# Altium PCB BMS REVAA.PcbDoc (part 2 of 2)
Units mil, origin at the board's own origin, x right, y up, seen from the top; angles counter-clockwise.
Board outline 4429.13 x 2460.63 mil, 4 copper layers (Top Layer 1, Middle Layer 1, Middle Layer 2, Bottom Layer 1), stack 23.756 mil thick; 116 components, 96 nets, 456 pads, 140 vias.
Unrouted connection lines stored in the file: 64.
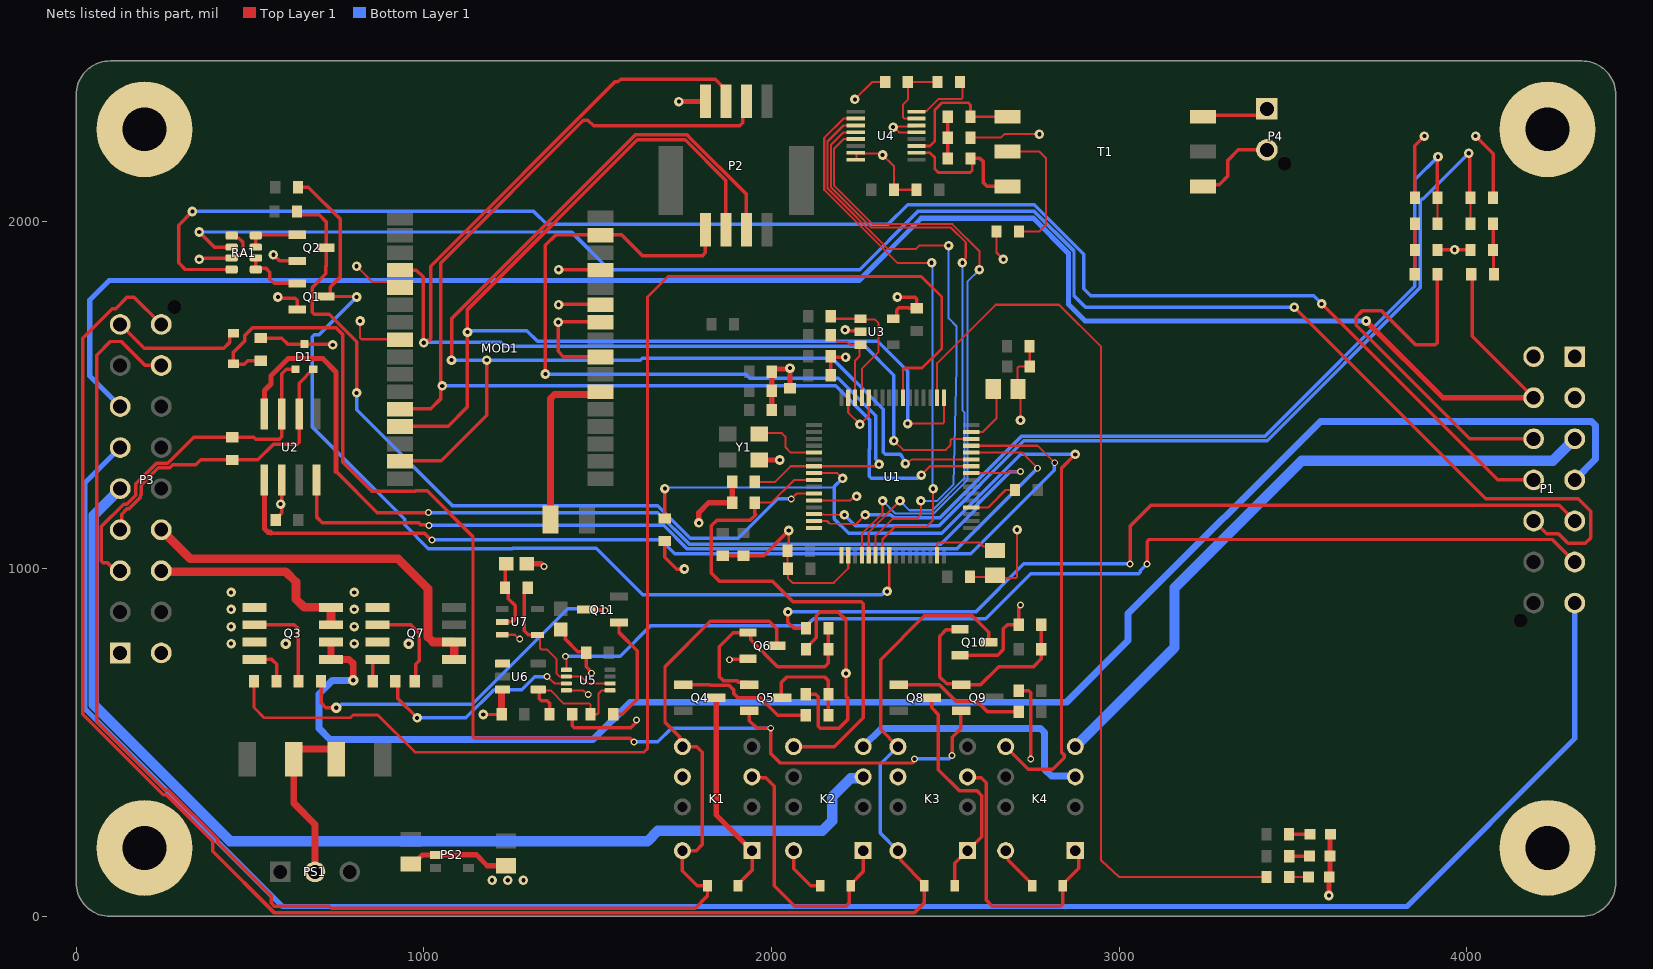
[diagram p4: the nets of this part, all layers, seen from the top]

## Via types
v1: diameter 27.56, hole 11.81, Top Layer 1 to Bottom Layer 1, 106 vias
v2: diameter 19.68, hole 11.81, Top Layer 1 to Bottom Layer 1, 29 vias
v3: diameter 30, hole 13, Top Layer 1 to Bottom Layer 1, 4 vias
v4: diameter 45, hole 13, Top Layer 1 to Bottom Layer 1, 1 vias

## Nets (pads, with @x,y where several pads share a name; then routed paths per layer and width w, separated by ;. In a path a pad name is that pad's centre, name@x,y a point inside that pad or via, vN(x,y) a via of type N, cw(c..) or ccw(c..) an arc to the next point about the centre after c; other vN are vias at no path point) (continued)
BMS_FLT_LED: D6.2 K3.5 K3.8 P3.18 Q10.3 | length 5281.3
  Top Layer 1 w10: P3.18@245.08,1702.76 166.34,1781.5 147.64,1781.5 113.82,1747.68 103.98,1747.68 19.68,1663.39 19.68,581.3 251.34,349.65 260.14,349.65 393.7,216.09 393.7,187.01 570.87,9.84 2411.42,9.84 2440.08,38.5 D6.2@2440.08,88.58 2440.08,92.52 2371.48,161.12 2371.48,181.47 K3.8@2363.98,188.98 ; K3.5@2363.98,488.19 2313.98,538.19 2313.98,738.58 2439.83,864.44 2578.12,864.44 2625.32,817.24 Q10.3@2625.32,788.58
  Bottom Layer 1 w10: K3.8@2363.98,188.98 2312.99,239.96 2312.99,437.2 K3.5@2363.98,488.19
CAN1_H: D1.1 P3.3 R9.1 U2.7 | length 1041.5
  Top Layer 1 w10: P3.3@126.97,994.09 113.48,994.09 91.02,1016.55 78.41,1016.55 72.56,1022.41 72.56,1121.32 136.63,1185.39 145.58,1185.39 171.89,1211.71 171.89,1244.13 231.26,1303.5 263.69,1303.5 338.15,1377.96 R9.1@449.31,1377.96 511.56,1377.96 517.75,1371.77 584.37,1371.77 591.71,1379.11 U2.7@591.71,1444.89 591.71,1560.88 604.31,1573.48 D1.1@631.12,1573.48
CAN1_L: D1.2 P3.4 R9.2 U2.6 | length 888.7
  Top Layer 1 w10: P3.4@126.97,1112.2 131.19,1116.43 131.19,1157.13 145.96,1171.89 151.17,1171.89 185.39,1206.12 185.39,1211.33 187.01,1212.94 187.01,1240.16 236.85,1290 269.28,1290 278.49,1299.21 344.49,1299.21 358.28,1313 R9.2@449.31,1313 522.61,1313 567.87,1358.27 635.85,1358.27 641.71,1364.13 U2.6@641.71,1444.89 641.71,1533.87 681.32,1573.48 D1.2@682.3,1573.48
CAN1_RX: U1.44 U2.4 | length 2523.7
  Top Layer 1 w6: U1.44@2575.3,1334.07 2721.05,1334.07 2765.75,1289.37 v2(2765.75,1288.98)
  Top Layer 1 w10: U2.4@691.71,1254.89 691.71,1148.84 708.66,1131.89 985.2,1131.89 990.66,1126.44 1013.19,1126.44 v2(1015.05,1124.58)
  Bottom Layer 1 w10: v2(1015.05,1124.58) 1690.38,1124.58 1758.15,1056.81 2533.18,1056.81 2765.36,1288.98 v2(2765.75,1288.98)
CAN1_STBY: U1.41 U2.8 | length 2918.7
  Top Layer 1 w6: U1.41@2575.3,1275.02 2678.8,1275.02 2683.3,1279.53 v2(2716.54,1279.53)
  Top Layer 1 w10: 748.03,1279.53 866.14,1161.42 v2(1013.78,1161.42)
  Top Layer 1 w15: U2.8@541.71,1444.89 541.71,1512.39 561.02,1531.71 561.02,1555.12 610.24,1604.33 709.72,1604.33 748.03,1566.02 748.03,1279.53
  Bottom Layer 1 w10: v2(1013.78,1161.42) 1673.23,1161.42 1764.34,1070.31 2487.63,1070.31 2586.39,1169.07 2586.39,1178.91 2687.01,1279.53 v2(2716.54,1279.53)
CAN1_TX: U1.45 U2.1 | length 2822.5
  Top Layer 1 w6: U1.45@2575.3,1353.76 2765.92,1353.76 v2(2814.91,1304.77)
  Top Layer 1 w10: 561.02,1102.36 1002.13,1102.36 1021.82,1082.68 v2(1023.62,1082.68)
  Top Layer 1 w15: U2.1@541.71,1254.89 541.71,1115.18 552.22,1104.68 558.71,1104.68 561.02,1102.36
  Bottom Layer 1 w10: v2(1023.62,1082.68) 1683.07,1082.68 1722.44,1043.31 2573.24,1043.31 2813.06,1283.12 2813.06,1302.91 v2(2814.91,1304.77)
Charger_Enable: P1.8
CS_HIGH: P1.10 R5.2 | length 1149.9
  Top Layer 1 w10: R5.2@3915.75,1846.93 3915.75,1650.39 3909.89,1644.54 3852.72,1644.54 3755.88,1741.38 3698.71,1741.38 3681.85,1724.52 3681.85,1700.68 4008.91,1373.62 P1.10@4192.52,1373.62
CS_ISOSPI: U1.20 U4.5 | length 1827.9
  Top Layer 1 w6: U4.5@2242.75,2235.56 2207.5,2235.56 2180.5,2208.56 2180.5,2101.93 2291.35,1991.08 2520.2,1991.08 2598.43,1912.85 v1(2598.43,1860.24) ; U1.20@2260.34,1038.8 2260.34,1100.34 2320,1160 v1(2320,1195)
  Bottom Layer 1 w6: v1(2320,1195) 2356.28,1158.72 2467.16,1158.72 2564.5,1256.07 2564.5,1826.31 v1(2598.43,1860.24)
CS_LOW: P1.9 P3.7 R1.2 | length 5322
  Top Layer 1 w10: R1.2@4013.11,1846.93 4015.75,1844.29 4015.75,1668.5 P1.9@4192.52,1491.73
  Top Layer 1 w15: v1(3710.63,1712.6) 3931.5,1491.73 P1.9@4192.52,1491.73
  Bottom Layer 1 w15: P3.7@126.97,1466.54 39.37,1554.13 39.37,1772.71 95.62,1828.96 2252.18,1828.96 2431.1,2007.87 2753.56,2007.87 2854.33,1907.1 2854.33,1760.76 2902.49,1712.6 v1(3710.63,1712.6)
Discharge_Shutdown: P1.7 P3.6 | length 5903.9
  Bottom Layer 1 w15: P3.6@126.97,1348.43 24.98,1246.44 24.98,597.7 593.84,28.84 3828.05,28.84 4310.63,511.42 P1.7@4310.63,901.18
FAN1_MCU: R15.1 U1.55 | length 3831.2
  Top Layer 1 w7: U1.55@2378.45,1491.55 2378.45,1572.47
  Top Layer 1 w8: R15.1@511.81,676.18 511.81,600.6 541.02,571.39 789.2,571.39 796.77,578.96 867.89,578.96 974.52,472.33 1633.86,472.33 1643.7,482.18 1643.7,1781.39 1702.76,1840.44 2431.1,1840.44 2490.16,1781.39 2490.16,1633.75 2433.57,1577.16 2383.13,1577.16 2378.45,1572.47
FAN1_RTN: P1.4 Q3.5 Q3.6 | length 4674.9
  Top Layer 1 w20: Q3.6@733.27,788.98 Q3.5@733.27,738.98 785.53,738.98 797.24,727.26 v3(797.24,679.13)
  Bottom Layer 1 w20: v3(797.24,679.13) 738.19,679.13 698.82,639.76 698.82,541.07 731.03,508.86 1487.14,508.86 1594.18,615.89 2848.73,615.89 3026.22,793.39 3026.22,870.71 3579.06,1423.54 4358.36,1423.54 4370.08,1411.83 4370.08,1314.96 P1.4@4310.63,1255.51
GND: C1.1 C2.1 C3.1 C4.1 C5.1 C6.1 C7.1 C8.1 C9.1 C10.1 C11.1 C12.1 C13.1 C14.1 C15.1 C16.1 C17.1 C18.1 C19.1 C20.1 C21.1 C22.1 C23.1 C24.1 C25.1 C26.1 C27.1 C28.1 C29.1 C30.1 C31.1 C32.1 D1.3 D4.2 D5.2 DS1.2 DS2.2 DS3.2 K1.6 K2.8 K3.6 K4.8 MOD1.5 MOD1.8 MOD1.24 MOD1.26 MOD1.27 MOD1.29 P1.1 P2.1 P3.1 PS1.2 PS2.2 Q1.2 Q2.2 Q3.1 Q3.3 Q6.2 Q7.1 Q7.3 Q10.2 R3.1 R7.1 R18.2 R23.1 R24.1 R27.1 R28.1 R31.1 R33.1 R35.1 R38.1 RA1.1 RA1.3 ST1.1 ST2.1 ST3.1 ST4.1 U1.12 U1.18 U1.60 U1.63 U2.2 U3.2 U3.5 U4.7 U4.8 U4.13 U4.14 U5.4 U6.3 U7.3 Y1.2 | length 8619.7
  Top Layer 1 w6: v1(807.09,1870.08) 807.09,1869.68 851.98,1824.79 916.35,1824.79 MOD1.5@932.28,1808.86 ; v1(816.93,1712.6) 816.93,1663.51 820.44,1660 931.14,1660 MOD1.8@932.28,1658.86 ; U7.3@1225.24,810.17 1261.8,810.17 1274.01,797.95 v2(1276.24,797.95) ; U5.4@1410.09,650.32 1458.25,650.32 1470.06,638.5 v2(1473.09,638.5) ; v1(2050,1110) 2050,1055.04 C8.1@2046.24,1051.28 2046.24,1001.28 C7.1@2047.52,1000 2047.52,972.48 2060.67,959.33 2179.33,959.33 2220.97,1000.97 U1.18@2220.97,1038.8 ; U1.12@2122.54,1196.28 2227.22,1196.28 2239.17,1208.22 v1(2245,1208.22) ; U1.63@2220.97,1491.55 2220.97,1449.03 2254.68,1415.32 v1(2254.68,1415) ; v1(2240,2350) 2290,2400 R18.2@2327.52,2400 ; U4.8@2242.75,2176.51 2244.3,2178.06 2244.3,2194.64 U4.7@2242.75,2196.19 2245.25,2193.69 2316.31,2193.69 2352.48,2157.52 C25.1@2352.48,2090 C26.1@2417.52,2090 ; v1@2255,1415 2280.02,1440.02 U1.60@2280.02,1491.55 ; v1(2350,2270) 2352.71,2270 2367.46,2255.25 U4.13@2417.25,2255.25 ; v1@2352.47,2272.47 2414.78,2272.47 U4.14@2417.25,2274.93 ; C6.1@2570.93,976.55 2638.88,976.55 C15.1@2643.45,981.12 2651.67,972.89 2703.18,972.89 2706.69,976.41 v1(2706.69,1112.2) ; C27.1@2572.48,2240 2660,2240 2670,2250 v1@2770,2250 ; C28.1@2647.52,1970 2647.52,1909.57 v1(2667.32,1889.76) ; C14.1@2715.68,1523.35 C14.1@2708.88,1516.55 2708.02,1517.41 2708.02,1578.04 2711.54,1581.55 C9.1@2742.96,1581.55 2742.96,1639.53 C10.1@2742.48,1640 ; v1(2716.54,1427.17) C14.1@2716.54,1523.35
  Top Layer 1 w10: v1(354.33,1889.76) 357.69,1893.12 446.86,1893.12 452.74,1899 465.25,1899 466.02,1899.76 468.31,1899.76 480.16,1911.61 480.16,1938.79 468.31,1950.63 461.33,1950.63 453.69,1958.27 RA1.1@447.44,1958.27 ; R23.1@531.5,1663.39 591.43,1663.39 608.51,1646.31 D1.3@656.71,1646.31 658.01,1645.01 736.88,1645.01 v1(738.19,1643.7) ; v1(567.65,1902.96) 585.24,1885.36 Q2.2@636.31,1885.36 ; C13.1@574.23,1139.89 574.23,1142.85 591.71,1160.33 U2.2@591.71,1254.89 ; v1(580.71,1781.5) 584.07,1778.14 630.45,1778.14 636.31,1772.28 Q1.2@636.31,1745.36 ; v1(1171.26,580.71) 1223.36,580.71 C32.1@1224.07,581.42 ; v1(1386.83,1708.79) 1386.83,1624.98 1401.81,1610 1507.52,1610 MOD1.24@1508.66,1608.86 ; v1(1387.8,1860.24) 1507.28,1860.24 MOD1.29@1508.66,1858.86 ; v1@1389.61,1760 1507.52,1760 MOD1.27@1508.66,1758.86 ; v1@1390.39,1710 1507.52,1710 MOD1.26@1508.66,1708.86 ; C31.1@1394.35,825.35 1407.64,812.05 1407.64,797.08 1443.28,761.45 1464.32,761.45 C29.1@1467.18,758.58 1467.18,717.9 1482.93,702.15 v2(1482.93,699.53) ; R38.1@1426.83,581.42 1426.83,548.5 1432.68,542.64 1595.79,542.64 v2@1614.17,561.02 ; R33.1@1692.91,1079.72 1692.91,1033.46 1728.14,998.24 1736.43,998.24 1742.13,1003.94 v1@1751.97,1003.94 ; C3.1@1860,1037.52 C4.1@1920,1037.52 1977.52,1037.52 v1(2050,1110) ; v2(1879.92,738.19) 1881.32,739.59 1931.24,739.59 Q6.2@1932.64,740.98 ; K2.8@2063.98,188.98 2063.98,137.28 2112.68,88.58 D4.2@2140.08,88.58 ; R24.1@2099.02,638.58 2127.17,638.58 2134.21,631.54 2134.21,546.8 2140.07,540.94 2194.49,540.94 2220.27,566.72 2220.27,627.55 2214.57,633.25 2214.57,852.64 2191.22,875.98 2140.31,875.98 2128.98,864.65 2128.98,801.02 2099.49,771.54 R27.1@2099.49,768.58 ; C12.1@2170.93,1556.55 C5.1@2170.93,1611.55 2174.26,1608.22 v1(2213.28,1608.22) ; v1(2212.26,1686.81) 2214.88,1684.18 2253.58,1684.18 U3.2@2256.2,1681.55 ; U3.5@2350.69,1718.95 2352.2,1718.95 2360,1726.75 2360,1744.14 2365.86,1750 2394.67,1750 ; v1(2362.2,1781.5) 2412.59,1781.5 2418.45,1775.64 C20.1@2418.45,1749.03 2394.67,1749.03 ; Q10.2@2542.64,750.98 2650.59,750.98 2667.32,767.72 2667.32,826.77 2679.13,838.58 R35.1@2711.5,838.58 2711.5,888.01 2716.54,893.05 v2(2716.54,895.67) ; K4.8@2673.98,188.98 2681.48,181.47 2681.48,161.12 2750.08,92.52 D5.2@2750.08,88.58 ; R31.1@2711.5,648.58 2740.21,648.58 2746.06,642.72 v2(2746.06,452.76) ; C2.1@3850.83,2066.93 3850.83,2216.97 v1(3877.95,2244.09) ; R7.1@3915.79,1916.93 R3.1@4010.83,1916.93 ; v1(4025.59,2244.09) 4075.79,2193.9 C1.1@4075.79,2066.93
  Top Layer 1 w15: C23.1@962.83,150.59 969.92,150.59 984.27,164.94 984.27,165.39 995.58,176.69 PS2.2@1033.83,176.69 1111.73,176.69 1112.2,177.17 1151.57,177.17 1182.91,145.83 C24.1@1236.69,145.83 ; C30.1@1295.92,1014.49 1337.87,1014.49 v2@1348.43,1003.94 ; v1(1733.86,2343.5) 1808.86,2343.5 P2.1@1809.84,2344.49 ; v1(1791.34,1131.89) 1791.34,1161.42 1819.92,1190 R28.1@1887.52,1190 C16.1@1887.52,1250 ; Y1.2@1965.28,1312.6 v1(2024.02,1312.6) v1@2027.56,1309.06 ; C19.1@2000.93,1456.55 C18.1@2000.93,1511.55 C17.1@2000.93,1566.55 ; C17.1@2008.19,1574.38 2051.04,1574.38 v1(2053.45,1576.78) C11.1@2053.45,1519.03 ; v1(3603.43,60.12) 3603.96,60.65 3603.96,112.7 3606.38,115.12 3606.38,234.33 DS2.2@3608.27,236.22
  Top Layer 1 w20: PS1.2@687.24,124.35 687.24,264.76 626.22,325.79 C21.1@626.22,451.77 626.22,466.69 640.83,481.3 733.66,481.3 748.27,466.69 C22.1@748.27,451.77 ; C32.1@1224.07,581.42 1224.07,650.47 1225.88,652.28 U6.3@1227.02,652.28
  Bottom Layer 1 w40: ST4.1@196.85,2263.78 ST4.1@206.02,2272.95
  other v1: 1196.69,103.83 1241.69,103.83 1286.69,103.83 2214.57,698.82 445.87,784.45 800.2,784.45 445.87,833.66 800.2,833.66 445.87,882.87 800.2,882.87 445.87,932.09 800.2,932.09 1749.9,999.26 588.2,1185.65 1387.97,1759.15 3965.05,1917.43 2320,2190 2770.64,2249.69
  other v2: 1611.99,564.41 1345.52,1006.79
  other v3: 603.35,784.45 957.2,784.45
GRN_CTRL: Q11.3 R25.1 | length 1058.9
  Top Layer 1 w10: R25.1@704.72,676.18 704.72,614.17 718.5,600.39 v3(748.03,600.39) ; Q11.3@1467.18,882.44 1468.3,881.32 1520.26,881.32 v2(1521.38,880.19)
  Bottom Layer 1 w10: v3(748.03,600.39) 753.44,600.39 763.29,610.24 1139.86,610.24 1414.03,884.41 1491.54,884.41 1495.75,880.19 v2(1521.38,880.19)
I2C1_SCL: R12.1 U1.61 U3.1 | length 380.7
  Top Layer 1 w6: R12.1@2170.93,1726.55 2178.53,1718.95 U3.1@2256.2,1718.95 2258.6,1716.55 2298.45,1716.55 2308.45,1706.55 2308.45,1623.74 2260.34,1575.63 U1.61@2260.34,1491.55
I2C1_SDA: R13.1 U1.62 U3.3 | length 257.4
  Top Layer 1 w6: R13.1@2170.93,1671.55 2170.93,1668.6 2182.69,1656.84 2185.64,1656.84 2190.93,1651.55 2218.45,1651.55 2223.47,1646.53 2225.85,1644.15 U3.3@2256.2,1644.15 2253.45,1641.4 2253.45,1611.55 2240.65,1598.76 U1.62@2240.65,1491.55
IM: R21.2 T1.3 U4.10 | length 395.8
  Top Layer 1 w8: U4.10@2417.25,2196.19 2456,2196.19 2470,2182.19 2470,2150 2480,2140 2571.74,2140 2577.6,2145.86 2577.6,2162.28
  Top Layer 1 w10: R21.2@2572.48,2180 2600,2180 2610,2170 2610,2110 2620,2100 T1.3@2678.7,2100
IMD&TSR: Q5.3 R22.1 R24.2 | length 292
  Top Layer 1 w10: Q5.3@2031.22,628.58 2028.12,631.68 2028.12,672.72 2043.98,688.58 2153.98,688.58 2163.98,678.58 R24.2@2163.98,638.58 R22.1@2163.98,578.58
IMD_FLT: P1.5 R26.1 | length 2561.2
  Top Layer 1 w10: v1(2047.24,875.98) 2047.24,846.46 2065.12,828.58 R26.1@2099.21,828.58 ; v2(3031.5,1013.78) 3031.5,1122.05 3091.77,1182.32 4265.71,1182.32 P1.5@4310.63,1137.4
  Bottom Layer 1 w10: v1(2047.24,875.98) 2588.58,875.98 2726.38,1013.78 v2(3031.5,1013.78)
IMD_FLT_L: U6.1
IMD_FLT_LED: D3.2 K1.5 K1.8 P3.17 Q6.3 | length 4550.4
  Top Layer 1 w10: P3.17@245.08,1584.65 199.46,1584.65 130.56,1653.54 98.43,1653.54 59.06,1614.17 59.06,561.02 256.93,363.15 265.73,363.15 407.2,221.68 407.2,212.88 561.02,59.06 561.02,38.78 570.57,29.23 728.05,29.23 733.94,23.34 1780.45,23.34 1816.18,59.07 D3.2@1816.18,88.58 1786.96,88.58 1743.98,131.57 K1.8@1743.98,188.98 1783.46,188.98 1801.18,206.69 1801.18,472.44 1785.43,488.19 K1.5@1743.98,488.19 1736.47,495.69 1736.47,516.09 1693.98,558.58 1693.98,718.58 1823.98,848.58 1993.98,848.58 2015.32,827.24 Q6.3@2015.32,778.58
IMD_OR_BMS_FLT: R36.1 R38.2 U5.5 U6.4 | length 404.1
  Top Layer 1 w6: U6.4@1329.39,652.28 1331.35,650.32 1364.82,650.32 1403,612.13 1476.46,612.13 1479.98,608.62 R36.1@1479.98,581.42 1499.1,581.42 1502.61,584.93 1502.61,640.47 1512.46,650.32 U5.5@1536.08,650.32
  Top Layer 1 w10: U6.4@1331.35,650.32 1332.95,648.72 1332.95,625.66 1338.81,619.8 1354.98,619.8 1361.87,612.91 R38.2@1361.87,581.42
IND_GRN: P3.12 Q3.7 Q3.8 | length 612.3
  Top Layer 1 w25: P3.12@245.08,994.09 245.08,991.14 603.35,991.14 632.87,961.61 632.87,912.4 656.3,888.98 Q3.8@733.27,888.98 Q3.7@733.27,838.98
INTR: U1.16
IP: R20.2 T1.1 U4.11 | length 402.2
  Top Layer 1 w8: U4.11@2417.25,2215.88 2455.88,2215.88 2470,2230 2470,2320 2490,2340 2566.62,2340 2572.48,2334.14 R20.2@2572.48,2300 T1.1@2678.7,2300
isoSPI_IM: P4.2 T1.4 | length 258.9
  Top Layer 1 w10: T1.4@3234.06,2104.72 3287.87,2104.72 3313.15,2130 3313.15,2175 3342.87,2204.72 P4.2@3425.2,2204.72
isoSPI_IP: P4.1 T1.6 | length 198.6
  Top Layer 1 w10: T1.6@3234.06,2304.72 3407.09,2304.72 P4.1@3425.2,2322.83
LED_HB: R14.1 U1.50 | length 2662.5
  Top Layer 1 w6: U1.50@2476.87,1491.55 2476.87,1591.05 2645.15,1759.33 2827.29,1759.33 2948.22,1638.39 2948.22,161.22 2950.08,159.36 3000.85,113.23 R14.1@3424.29,113.23
MCU_BMS_FLT: R8.1 U1.36 | length 146.9
  Top Layer 1 w6: U1.36@2575.3,1176.59 2624.46,1176.59 2651.78,1203.91 2651.78,1204.89 2673.45,1226.55 R8.1@2700.97,1226.55
MCU_BMS_FLTDD: K4.5 R33.2 U1.8 | length 2695.9
  Top Layer 1 w6: U1.8@2122.54,1275.02 2189.55,1275.02 v1(2204.72,1259.84)
  Top Layer 1 w10: R33.2@1692.91,1144.68 1693.42,1145.2 v1(1693.42,1230.32) ; K4.5@2673.98,488.19 2738.94,423.23 2809.1,423.23 2841.87,456 2841.87,464.28 2834.37,471.78 2834.37,1289.09 v1(2874.02,1328.74)
  Bottom Layer 1 w6: v1(1693.42,1230.32) 1696.28,1233.17 2178.06,1233.17 2181.22,1236.34
  Bottom Layer 1 w10: v1(2204.72,1259.84) 2181.22,1236.34 2181.22,1143.08 2221.94,1102.36 2490.16,1102.36 2717.4,1329.61 2873.15,1329.61 v1(2874.02,1328.74)
MCU_CS_HIGH: C2.2 R6.2 U1.15 | length 2615.3
  Top Layer 1 w6: U1.15@2122.54,1137.22 2159.91,1137.22 2165.6,1131.53 2167.35,1129.77 2209.01,1128.24 ccw(c2210,1155) 2210.6,1128.23 2243.23,1128.23 v1(2270,1155) ; R6.2@3915.79,1991.93 C2.2@3915.79,2066.93
  Top Layer 1 w10: C2.2@3915.79,2066.93 3915.79,2183.5 v1(3917.32,2185.04)
  Bottom Layer 1 w10: v1(2270,1155) 2343.74,1155 2351.52,1147.22 2485.8,1147.22 2720.19,1381.61 3420.34,1381.61 3850.81,1812.08 3850.81,2118.52 v1(3917.32,2185.04)
MCU_CS_LOW: C1.2 R2.2 U1.14 | length 2691.7
  Top Layer 1 w6: U1.14@2122.54,1156.91 2143.16,1156.13 2151.55,1156.13 v1(2210,1155) ; R2.2@4010.83,1991.93 C1.2@4010.83,2066.93
  Top Layer 1 w10: v1(4005.91,2194.88) 4008.37,2192.42 4008.37,2069.39 C1.2@4010.83,2066.93
  Bottom Layer 1 w10: v1(2210,1155) 2241.27,1123.73 2482,1123.73 2726.38,1368.11 3425.93,1368.11 3865.59,1807.77 3865.59,2058.15 3871.45,2064.01 3875.03,2064.01 v1(4005.91,2194.88)
MCU_IMD_FLT: K2.5 R28.2 U1.9 | length 1544.4
  Top Layer 1 w6: R28.2@1952.48,1190 2000,1190 2065.33,1255.33 U1.9@2122.54,1255.33
  Top Layer 1 w10: R28.2@1952.48,1190 1952.48,1157.76 1954.52,1155.72 1938.39,1139.59 1843.41,1139.59 1827.28,1123.46 1827.28,987.68 1850.39,964.57 2002.95,964.57 2062.01,905.51 2257.92,905.51 2263.78,899.65 2263.78,570.87 2181.1,488.19 K2.5@2063.98,488.19
MCU_PRE: Q1.3 R10.1 U1.24 | length 2892.3
  Top Layer 1 w6: v1(2332.68,935.04) 2332.68,940.87 2339.08,947.27 U1.24@2339.08,1038.8
  Top Layer 1 w10: R10.1@638.08,2097.61 668.14,2097.61 759.77,2005.98 759.77,1838.92 731.13,1810.28 Q1.3@731.13,1782.96 ; Q1.3@718.98,1782.96 Q1.3@731.13,1782.96 ; v1(807.09,1781.5) 805.63,1782.96 Q1.3@731.13,1782.96
  Bottom Layer 1 w10: v1(807.09,1781.5) 698.82,1673.23 684.99,1673.23 679.13,1667.37 679.13,1407.48 944.88,1141.73 944.88,1126.28 1013.33,1057.83 1254.03,1057.83 1255.37,1059.17 1496.06,1059.17 1630.04,925.2 2318.08,925.2 2327.93,935.04 v1(2332.68,935.04)
MCU_SD_STAT: Q2.3 R11.1 U1.11 | length 2252.9
  Top Layer 1 w6: v2(2057.09,1200.79) 2072.26,1215.96 U1.11@2122.54,1215.96
  Top Layer 1 w10: R11.1@635.83,2027.56 635.83,2027.37 645.59,2017.61 698.99,2017.61 718.98,1997.62 Q2.3@718.98,1922.96 718.98,1870.56 718.5,1870.08 718.5,1848.38 678.91,1808.78 678.91,1738.14 684.76,1732.28 727.75,1732.28 807.09,1652.95 v1(807.09,1505.91)
  Bottom Layer 1 w10: v1(807.09,1505.91) 807.09,1456.69 1082.68,1181.1 1673.23,1181.1 1766.61,1087.72 1904.65,1087.72 2017.72,1200.79 v2(2057.09,1200.79)
MISO: U1.22 U4.3 | length 1720.6
  Top Layer 1 w6: U4.3@2242.75,2274.93 2207.5,2274.93 2161.5,2228.93 2161.5,2094.06 2336.27,1919.29 2415.22,1919.29 2425.06,1929.13 v1(2509.84,1929.13) ; U1.22@2299.71,1038.8 2299.71,1094.71 2350,1145 2420,1145 2430,1155 v1(2430,1195)
  Bottom Layer 1 w6: v1(2430,1195) 2476.57,1195 2523.25,1241.69 2532.24,1580.11 2532.24,1697.76 2509.84,1720.16 v1(2509.84,1929.13)
MOSI: U1.23 U4.2 | length 1614.4
  Top Layer 1 w6: U4.2@2242.75,2294.62 2207.5,2294.62 2152,2239.12 2152,2090.13 2362.2,1879.92 v1(2460.63,1879.92) ; U1.23@2319.39,1038.8 2319.39,1084.39 2355,1120 2445,1120 2465,1140 v1(2465,1230)
  Bottom Layer 1 w6: v1(2460.63,1879.92) 2462.81,1877.74 2462.81,1232.19 v1(2465,1230)
MSTR: U1.17
NetC27_2: C27.2 R20.1 R21.1 | length 120
  Top Layer 1 w10: R21.1@2507.52,2180 C27.2@2507.52,2240 R20.1@2507.52,2300
NetC28_2: C28.2 T1.2 | length 395.4
  Top Layer 1 w6: T1.2@2678.7,2200 2770,2200 2790,2180 2790,1990 2770,1970 C28.2@2712.48,1970
NetC30_2: C30.2 R37.1 U7.2 | length 207.3
  Top Layer 1 w10: U7.2@1225.24,847.17 1256.55,847.17 1263.62,854.23 1263.62,894.16 1243.68,914.1 1243.68,932.87 R37.1@1237.36,939.19 ; R37.1@1233.91,945.59 1233.91,1011.54 C30.2@1236.87,1014.49
NetD3_1: D3.1 K1.1 Q4.3 | length 599.4
  Top Layer 1 w10: D3.1@1903.98,88.58 1903.98,92.52 1944.31,132.85 1944.31,188.64 K1.1@1943.98,188.98
  Top Layer 1 w15: Q4.3@1841.22,628.58 1841.22,291.73 K1.1@1943.98,188.98
NetD4_1: D4.1 K1.3 K2.1 | length 772.4
  Top Layer 1 w10: K1.3@1943.98,401.57 1947.24,398.31 1983.58,398.31 2007.87,374.02 2007.87,88.58 2066.93,29.53 2214.57,29.53 2224.41,39.37 2224.41,85.12 D4.1@2227.87,88.58 2227.87,92.52 2264.63,129.27 2264.63,188.32 K2.1@2263.98,188.98
NetD5_1: D5.1 K3.3 K4.1 | length 804.5
  Top Layer 1 w10: K3.3@2563.98,401.57 2567.17,398.39 2603.58,398.39 2618.11,383.86 2618.11,47.04 2635.62,29.53 2832.02,29.53 2837.87,35.39 D5.1@2837.87,88.58 2837.87,92.52 2883.86,138.5 2883.86,179.09 K4.1@2873.98,188.98
NetD6_1: D6.1 K3.1 Q8.3 | length 660.3
  Top Layer 1 w10: Q8.3@2461.22,628.58 2461.22,599.8 2480.32,580.71 2480.32,422.04 2540.39,361.97 2590.18,361.97 2604.61,347.54 2604.61,229.61 K3.1@2563.98,188.98 2527.87,152.87 D6.1@2527.87,88.58
NetDS1_1: DS1.1 R14.2 | length 56.2
  Top Layer 1 w6: R14.2@3489.25,113.23 DS1.1@3545.43,113.23
NetDS2_1: DS2.1 R16.1 | length 60.5
  Top Layer 1 w10: R16.1@3488.72,236.22 DS2.1@3549.21,236.22
NetDS3_1: DS3.1 R17.1 | length 58
  Top Layer 1 w10: R17.1@3489.25,173.23 DS3.1@3547.24,173.23
NetF1_2: F1.2 MOD1.22 | length 499.5
  Top Layer 1 w20: F1.2@1364.82,1141.73 1364.82,1489.35 1376.54,1501.07 1500.87,1501.07 MOD1.22@1508.66,1508.86
NetQ1_1: Q1.1 RA1.5 RA1.6 | length 183.5
  Top Layer 1 w10: RA1.6@517.13,1893.7 RA1.5@517.13,1860.63 520.63,1864.14 546.46,1864.14 557.65,1852.96 557.65,1832.96 570.05,1820.56 Q1.1@636.31,1820.56
NetQ2_1: Q2.1 RA1.7 RA1.8 | length 153.2
  Top Layer 1 w10: RA1.7@517.13,1925.2 RA1.8@517.13,1958.27 519.41,1960.56 Q2.1@636.31,1960.56
NetQ3_2: Q3.2 R25.2 | length 282.6
  Top Layer 1 w10: Q3.2@512.8,838.98 627.56,838.98 639.76,826.77 R25.2@639.76,676.18
NetQ3_4: Q3.4 R15.2 | length 118.7
  Top Layer 1 w10: Q3.4@512.8,738.98 563,738.98 576.77,725.21 R15.2@576.77,676.18
NetQ4_1: Q4.1 R22.2 | length 394.5
  Top Layer 1 w10: Q4.1@1746.73,665.98 1822.58,665.98 1823.67,664.89 1877.94,664.89 1892.3,650.54 1892.3,640.26 1903.98,628.58 1968.23,628.58 2018.23,578.58 R22.2@2099.02,578.58
NetQ5_1: Q5.1 Q6.1 R26.2 R27.2 | length 666
  Top Layer 1 w10: Q5.1@1936.73,665.98 1929.92,672.8 1906.58,672.8 1900.98,678.39 1860.98,678.39 1850.39,688.98 1850.39,775.91 1890.67,816.18 1934.23,816.18 1941.04,809.37 1941.04,795.23 2017.68,718.58 2153.98,718.58 2163.98,728.58 2163.98,828.39 R26.2@2164.17,828.58
NetQ7_2: Q7.2 R32.2 | length 273.5
  Top Layer 1 w10: Q7.2@867.13,838.98 962.2,838.98 987.2,813.98 987.2,735.24 977.36,725.39 977.36,679.13 R32.2@974.41,676.18
NetQ7_4: Q7.4 R29.2 | length 72
  Top Layer 1 w10: R29.2@853.35,676.18 853.35,731.18 861.14,738.98 Q7.4@867.13,738.98
NetQ8_1: Q8.1 R30.2 | length 378.2
  Top Layer 1 w10: Q8.1@2366.73,665.98 2483.42,665.98 2530.82,618.58 2593.98,618.58 2593.98,616.23 2621.62,588.58 R30.2@2711.5,588.58
NetQ9_1: Q9.1 Q10.1 R34.2 R35.2 | length 614.9
  Top Layer 1 w10: Q10.1@2542.64,826.18 2541.57,825.11 2503.03,825.11 2483.98,806.06 2483.98,688.58 2503.98,668.58 2544.13,668.58 Q9.1@2546.73,665.98 2601.38,665.98 2653.98,718.58 2753.98,718.58 2776.46,741.06 R34.2@2776.46,768.58 R35.2@2776.46,838.58
NetQ11_1: Q11.1 R36.2 | length 329.3
  Top Layer 1 w10: R36.2@1544.94,581.42 1571.04,581.42 1614.17,624.55 1614.17,763.99 1561.67,816.49 Q11.1@1561.67,845.04
NetR1_1: R1.1 R2.1 R3.2 | length 145.9
  Top Layer 1 w10: R2.1@4075.79,1991.93 R3.2@4075.79,1916.93 4076.93,1915.79 4076.93,1848.07 R1.1@4078.07,1846.93
NetR5_1: R5.1 R6.1 R7.2 | length 145
  Top Layer 1 w10: R5.1@3850.79,1846.93 R6.1@3850.83,1991.93
NetR18_1: R18.1 R19.2 U4.15 | length 233.3
  Top Layer 1 w6: U4.15@2417.25,2294.62 2382,2294.62 2378,2298.62 2378,2334.71 2392.48,2349.19 R18.1@2392.48,2400 R19.2@2477.52,2400
NetR19_1: R19.1 U4.16 | length 197.7
  Top Layer 1 w6: U4.16@2417.25,2314.3 2419.75,2316.8 2446.8,2316.8 2481.5,2351.5 2546.49,2351.5 2550,2355.01 2550,2392.48 R19.1@2542.48,2400
NRST: C16.2 MOD1.31 P2.2 U1.7 | length 2459
  Top Layer 1 w6: C16.2@1952.48,1250 2010.73,1250 2055.43,1294.7 2298.87,1294.7 2304.17,1300 v1(2310,1300)
  Top Layer 1 w10: v1(1350,1560) 1350,1930 1380,1960 1507.52,1960 MOD1.31@1508.66,1958.86 1509.8,1960 1570,1960 1630.39,1899.61 1801.18,1899.61 1809.84,1908.27 P2.2@1809.84,1974.41
  Bottom Layer 1 w10: v1(1350,1560) 1480.93,1560 ; 1481.93,1560 1925.96,1560 1937.96,1548 2192,1548 2300,1440 2300,1314.29 2310,1304.29 v1(2310,1300)
OSC_12MHz: U1.5 Y1.3 | length 199.1
  Top Layer 1 w6: Y1.3@1965.28,1387.4 1967.87,1390 2030,1390 2040,1380 2040,1350 2055.93,1334.07 U1.5@2122.54,1334.07
OSCILLATOR: R37.2 U5.2 U5.6 U7.4 | length 481.1
  Top Layer 1 w6: U7.4@1327.24,809.67 1328.81,809.67 1334.31,804.17 1334.31,771.43 1337.82,767.91 1353.99,767.91 1381.35,740.56 1381.35,699.22 1390.1,690.47 1397.35,690.47 U5.2@1410.09,689.69 1453.4,689.69 1473.09,670 U5.6@1536.08,670
  Top Layer 1 w10: R37.2@1298.87,945.59 1289.11,935.83 1289.11,821.29 1300.13,810.27 1326.63,810.27 U7.4@1327.24,809.67
PreCharge_Status: P1.11 RA1.4 | length 4606.8
  Top Layer 1 w10: v1(334.65,2027.56) 295.28,1988.19 295.28,1879.92 314.57,1860.63 RA1.4@447.44,1860.63 ; v1(3582.68,1761.81) 4088.98,1255.51 P1.11@4192.52,1255.51
  Bottom Layer 1 w10: v1(334.65,2027.56) 1316.81,2027.56 1353.29,1991.08 2335.46,1991.08 2391.63,2047.24 2755.91,2047.24 2898.39,1904.76 2898.39,1804.81 2918.21,1784.99 3559.5,1784.99 v1(3582.68,1761.81)
RED_CTRL: R29.1 U5.3 | length 617
  Top Layer 1 w6: v2(1354.98,689.69) 1377.15,670 U5.3@1410.09,670
  Top Layer 1 w10: R29.1@918.31,676.18 925.2,669.29 925.2,626.81 v1(981.14,570.87)
  Bottom Layer 1 w10: v1(981.14,570.87) 1030.83,570.87 1031.39,571.42 1121.27,571.42 1202.13,652.28 1281.99,652.28 1319.39,689.69 v2(1354.98,689.69)
RED_LED: P3.13 Q7.5 Q7.6 | length 1107.9
  Top Layer 1 w25: P3.13@245.08,1112.2 328.62,1028.66 926.3,1028.66 1012.2,942.75 1012.2,803.62 1026.85,788.98 Q7.6@1087.6,788.98 Q7.5@1087.6,738.98
SCK: U1.21 U4.4 | length 1774.5
  Top Layer 1 w6: U4.4@2242.75,2255.25 2207.5,2255.25 2171,2218.75 2171,2098 2287.42,1981.58 2516.26,1981.58 2559.06,1938.79 2559.06,1894.22 2549.21,1884.37 v1(2549.21,1879.92) ; U1.21@2280.02,1038.8 2280.02,1105.02 v1(2370,1195)
  Bottom Layer 1 w6: v1(2370,1195) 2396.78,1168.22 2463.22,1168.22 2555,1260 2555,1449.58 2550,1454.58 2550,1879.13 v1(2549.21,1879.92)
SD_Stat: P1.12 RA1.2 | length 4933.3
  Top Layer 1 w10: v1(354.33,1968.5) 397.64,1925.2 RA1.2@447.44,1925.2 ; v1(3503.94,1751.97) 4055.12,1200.79 4320.87,1200.79 4356.09,1165.56 4356.09,1088.38 4340.55,1072.83 4291.34,1072.83 4263.82,1100.35 4229.57,1100.35 P1.12@4192.52,1137.4
  Bottom Layer 1 w10: v1(354.33,1968.5) 1424.98,1968.5 1533.25,1860.24 2253.94,1860.24 2421.26,2027.56 2756.5,2027.56 2870.33,1913.73 2870.33,1785.18 2903.54,1751.97 v1(3503.94,1751.97)
SHUTDOWN_01: K2.3 P3.5 | length 3145.7
  Bottom Layer 1 w30: P3.5@126.97,1230.32 50.98,1154.33 50.98,608.46 442.91,216.54 1643.7,216.54 1673.23,246.06 2145.67,246.06 2175.2,275.59 2175.2,344.49 2228.61,397.9 2260.3,397.9 K2.3@2263.98,401.57
SHUTDOWN_02: K2.4 K4.3 | length 751.7
  Bottom Layer 1 w20: K2.4@2263.98,488.19 2316.73,540.94 2773.72,540.94 2785.43,529.23 2785.43,423.23 2805.12,403.54 2872.01,403.54 K4.3@2873.98,401.57
SHUTDOWN_03: K4.4 P1.3 | length 1903.7
  Bottom Layer 1 w30: K4.4@2873.98,488.19 3159.45,773.66 3159.45,944.88 3525,1310.43 4247.44,1310.43 P1.3@4310.63,1373.62
Shutdown_From_TSMS: P3.10
SWCLK: MOD1.13 P2.4 U1.49 | length 3277.5
  Top Layer 1 w6: v1(2391.73,1417.32) 2492.32,1417.32 2496.56,1421.56 U1.49@2496.56,1491.55
  Top Layer 1 w10: MOD1.13@932.28,1408.86 933.42,1410 1070,1410 1125.84,1465.84 v1(1125.84,1680.42) 1125.84,1745.52 1614.57,2234.25 1751.67,2234.25 1869.25,2116.67 1869.25,1977.54 1869.25,1974.76 P2.4@1868.9,1974.41
  Bottom Layer 1 w10: v1(1125.84,1680.42) 1129.2,1683.78 1138.9,1683.78 1140.12,1685 1296.18,1685 1327.34,1653.84 2306.16,1653.84 2391.73,1568.27 v1(2391.73,1417.32)
SWDIO: MOD1.4 P2.3 U1.46 | length 3450.4
  Top Layer 1 w6: v1(2352.36,1368.11) 2378.72,1341.76 2501.76,1341.76 2515,1355 2515,1369.93 2518.51,1373.44 U1.46@2575.3,1373.44
  Top Layer 1 w10: MOD1.4@932.28,1858.86 978.82,1858.86 998.08,1839.6 998.08,1651.92 v1(1000,1650) 1004.75,1650 1011.31,1656.56 1014.14,1656.56 1020,1662.42 1020,1870 1550.1,2400.1 1558.59,2400.1 1566.2,2407.72 1838.15,2407.72 1868.9,2376.97 P2.3@1868.9,2344.49
  Bottom Layer 1 w10: v1(1000,1650) 1001.64,1651.64 1221.89,1651.64 1233.53,1640 2269.11,1640 2352.36,1556.75 v1(2352.36,1368.11)
Tractive_System_Reset: D2.2 P3.9 | length 384.1
  Top Layer 1 w10: P3.9@126.97,1702.76 195.93,1633.79 424.54,1633.79 441.42,1650.67 441.42,1670.35 448.82,1677.76 D2.2@452.76,1677.76
TSAL_Voltage: P1.6 U5.1 | length 3149
  Top Layer 1 w6: v2(1407.48,748.03) 1410.09,745.42 U5.1@1410.09,709.37
  Top Layer 1 w10: v2(3080.71,1013.78) 3080.71,1078.2 3086.57,1084.06 4245.87,1084.06 P1.6@4310.63,1019.29
  Bottom Layer 1 w10: v2(1407.48,748.03) 1564.96,748.03 1653.54,836.61 2101.38,836.61 2121.06,856.3 2617.01,856.3 2746.06,985.36 3056.27,985.36 3061.02,990.11 3061.02,994.09 v2(3080.71,1013.78)
TSR_ON: D2.1 Q5.2 Q9.2 R23.2 | length 3618.7
  Top Layer 1 w10: R23.2@531.5,1598.43 494.07,1598.43 483.27,1587.62 455.1,1587.62 D2.1@452.76,1589.96 452.76,1622.58 485.8,1655.63 485.8,1671.38 507.57,1693.15 747.8,1693.15 767.72,1673.23 767.72,1306.22 851.15,1222.79 975.9,1222.79 977.04,1223.93 1009.72,1223.93 1141.73,1091.93 1141.73,517.67 1147.59,511.81 1594.49,511.81 v2(1604.33,501.97) ; Q5.2@1936.73,591.18 1936.73,563.27 1958.66,541.34 v2(1998.03,541.34) 1998.03,468.46 2025.31,441.18 2405.56,441.18 2411.42,447.04 v2(2411.42,452.76) ; v2(2519.68,462.6) 2519.68,515.4 2545.22,540.94 2545.22,589.67 Q9.2@2546.73,591.18
  Bottom Layer 1 w10: v2(1604.33,501.97) 1673.23,501.97 1712.6,541.34 v2(1998.03,541.34) ; v2(2411.42,452.76) 2509.84,452.76 v2(2519.68,462.6)
UART1_RX: MOD1.15 P2.6 U1.43 | length 3525.5
  Top Layer 1 w6: v1(2385.54,1302.44) 2404.6,1314.39 U1.43@2575.3,1314.39
  Top Layer 1 w10: MOD1.15@932.28,1308.86 933.42,1310 1050,1310 1181.17,1441.17 v1(1181.17,1600) ; v1(1080,1600) 1080,1718.77 1597.66,2236.43 1608.98,2247.75 1757.26,2247.75 1768.58,2236.43 1928.31,2076.7 1928.31,1977.54 1928.31,1974.76 P2.6@1927.95,1974.41
  Bottom Layer 1 w10: v1(1080,1600) v1(1181.17,1600) 1622.87,1600 1628.43,1605.56 2174.44,1605.56 2321.5,1458.5 2321.5,1335.06 2324.43,1332.13 2327.36,1329.2 2370.12,1329.2 2374.19,1325.12 v1(2385.54,1302.44)
UART1_TX: MOD1.12 P2.5 U1.42 | length 3379.5
  Top Layer 1 w7: v1(2431.18,1269.41) 2456.47,1294.7 U1.42@2575.3,1294.7
  Top Layer 1 w10: MOD1.12@932.28,1458.86 933.42,1460 1020,1460 1049.63,1489.63 1049.63,1526.11 1049.63,1880.53 1459.09,2290 1472.22,2290 1488.58,2273.64 1908.31,2273.64 1917.2,2282.54 1917.2,2333.74 P2.5@1927.95,2344.49
  Bottom Layer 1 w10: v1(1053.34,1526.11) 2184.52,1526.11 2283.46,1427.17 2283.46,1345.75 2281.22,1343.5 2281.22,1265.7 2287.08,1259.84 2421.26,1259.84 v1@2431.1,1269.68
VCAP_1: C15.2 U1.31 | length 210.6
  Top Layer 1 w6: U1.31@2476.87,1038.8 2476.87,1071.42 2480.87,1075.42 2597.65,1075.42 2609.02,1064.05 2631.38,1064.05 C15.2@2643.45,1051.99
VCAP_2: C14.2 U1.47 | length 178.4
  Top Layer 1 w6: U1.47@2575.3,1393.13 2607.92,1393.13 2647.45,1432.66 2647.45,1502.12 2635.51,1514.05 C14.2@2638.01,1516.55
VIN: P1.2
pads on no net: K1.4 K1.7 K2.2 K2.7 K3.4 K3.7 K4.2 K4.7 MOD1.1 MOD1.2 MOD1.3 MOD1.6 MOD1.7 MOD1.9 MOD1.10 MOD1.11 MOD1.14 MOD1.16 MOD1.17 MOD1.18 MOD1.19 MOD1.20 MOD1.21 MOD1.23 MOD1.25 MOD1.28 MOD1.32 P1. P1.13 P1.14 P2.7 P2.8 P2.9 P2.10 P3.15 P3.MH P4. PS2.4 T1.5 U1.2 U1.3 U1.4 U1.6 U1.10 U1.25 U1.26 U1.27 U1.28 U1.29 U1.30 U1.33 U1.34 U1.35 U1.37 U1.38 U1.39 U1.40 U1.51 U1.52 U1.53 U1.54 U1.57 U1.58 U1.59 U2.5 U7.1 Y1.1

## Polygon pours and split planes (outlines as drawn)
+5V on Middle Layer 2 "NONET_L-01_P-001" (solid, pour order 9): 403.54,2155.51 807.09,2155.51 807.09,1062.99 1643.7,1062.99 1643.7,531.5 403.54,531.5
GND on Middle Layer 2 "NONET_L-01_P-001" (solid, pour order 13): 0,98.43 0,2362.2 98.43,2460.63 4330.71,2460.63 4429.13,2362.2 4429.13,98.43 4330.71,0 98.43,0 4330.71,0 98.43,0
GND on Top Layer 1 "NONET_L-01_P-001" (solid, pour order 15): 1309.06,194.84 1098.79,194.84 1098.79,49.21 1309.06,49.21
+3V3 on Top Layer 1 "NONET_L-01_P-001" (solid, pour order 14): 1072.83,344.49 1072.83,187.01 1289.37,187.01 1289.37,344.49
GND on Top Layer 1 "NONET_L-01_P-001" (solid, pour order 11): 819.88,863.19 928.15,863.19 928.15,961.61 780.51,961.61 780.51,764.76 977.36,764.76 977.36,813.98 819.88,813.98
GND on Top Layer 1 "NONET_L-01_P-001" (solid, pour order 12): 465.55,863.19 573.82,863.19 573.82,961.61 426.18,961.61 426.18,764.76 623.03,764.76 623.03,813.98 465.55,813.98
GND on Bottom Layer 1 "NONET_L-01_P-001" (solid, pour order 8): 0,98.43 0,2362.2 98.43,2460.63 4330.71,2460.63 4429.13,2362.2 4429.13,98.43 4330.71,0 98.43,0 4330.71,0 98.43,0
+3V3 on Middle Layer 1 "NONET_L-01_P-001" (solid, pour order 10): 0,98.43 0,2362.2 98.43,2460.63 4330.71,2460.63 4429.13,2362.2 4429.13,98.43 4330.71,0 98.43,0 4330.71,0 98.43,0

## Keep-outs
Middle Layer 1:
  region: 2913.39,1811.02 3740.16,1811.02 3740.16,2480.32 2913.39,2480.32
Middle Layer 2:
  region: 2913.39,1811.02 3740.16,1811.02 3740.16,2480.32 2913.39,2480.32
Bottom Layer 1:
  region: 2913.39,1811.02 3740.16,1811.02 3740.16,2480.32 2913.39,2480.32

## Silkscreen, mask and mechanical layers (free items; w line width, h text height)
Top Overlay:
  drawing of 76 lines, arcs and shapes, not listed
  text "PRGM" at 1734.66,1830.71 h60
  text "isoSPI" at 3060.05,1825 h30
  text "HV Board" at 4043.34,572.9 h75
  text "Main" at 51.59,561.02 h75
  text "Battery Management Board / REV AB Ethan Zifzal" at 2864.17,383.86 h45
  text "+5V" at 3671.26,216.54 h30
  text "+3V3" at 3671.26,147.64 h30
  text "HB" at 3681.77,93.23 h30
Top Solder:
  the board outline again, w10
Bottom Courtyard:
  lines w10: 196.85,196.85 196.85,2263.78 ; 196.85,1230.32 4232.28,1230.32 ; 4232.28,196.85 4232.28,2263.78

## Dimensions
3149.61,2047.24 to 2913.39,2440.94 on Top Overlay
3485.43,1811.02 to 3503.94,2047.24 on Top Overlay
3503.94,2065.75 to 3740.16,1811.02 on Top Overlay

## Text inside footprints (layer, text, board x,y; h text height)
U2: Mechanical 13 "*" at 573.21,1275.39 h30 r90
U4: Top Overlay "*" at 2170,2295.4 h30; Mechanical 13 "*" at 2271.5,2273.9 h30; Mechanical 7 "Default Padstyle: RX52p5Y11D0T" at 1955,1963.9 h30; Mechanical 7 "Pin One Padstyle: RX52p5Y11D0T" at 1955,1903.9 h30; Mechanical 7 "Alt 1 Padstyle: OX60Y90D30P" at 1992.5,1723.9 h30; Mechanical 7 "Alt 2 Padstyle: OX90Y60D30P" at 1992.5,1663.9 h30; Mechanical 7 "0.122in/3.099mm" at 2236.25,2421.9 h30; Mechanical 7 "0.199in/5.055mm" at 2236.25,2496.9 h30; Mechanical 7 "0.163in/4.14mm" at 2511,2232.9 h30; Mechanical 7 "0.02in/0.5mm" at 1972.75,2291.96 h30; Mechanical 7 "0.027in/0.686mm" at 2150.25,2043.9 h30
U7: Top Overlay "*" at 1148.28,906.22 h30; Mechanical 13 "*" at 1242.24,853.17 h30; Mechanical 7 "0.008in/0.203mm" at 1131.49,670.17 h30; Mechanical 7 "0.075in/1.905mm" at 1447.24,834.67 h30; Mechanical 7 "0.037in/0.94mm" at 930.24,853.17 h30; Mechanical 7 "0.114in/2.896mm" at 1627.74,834.67 h30; Mechanical 7 "0.11in/2.794mm" at 1188.74,1074.17 h30; Mechanical 7 "0.063in/1.6mm" at 1194.99,999.17 h30; Mechanical 7 "Alt 2 Padstyle: OX90Y60D30P" at 938.74,290.17 h30; Mechanical 7 "Alt 1 Padstyle: OX60Y90D30P" at 938.74,350.17 h30; Mechanical 7 "Default Padstyle: RX36Y17D0T" at 926.24,590.17 h30; Mechanical 7 "Pin One Padstyle: RX36Y17D0T" at 926.24,530.17 h30